# KiCad board RunType58.kicad_pcb
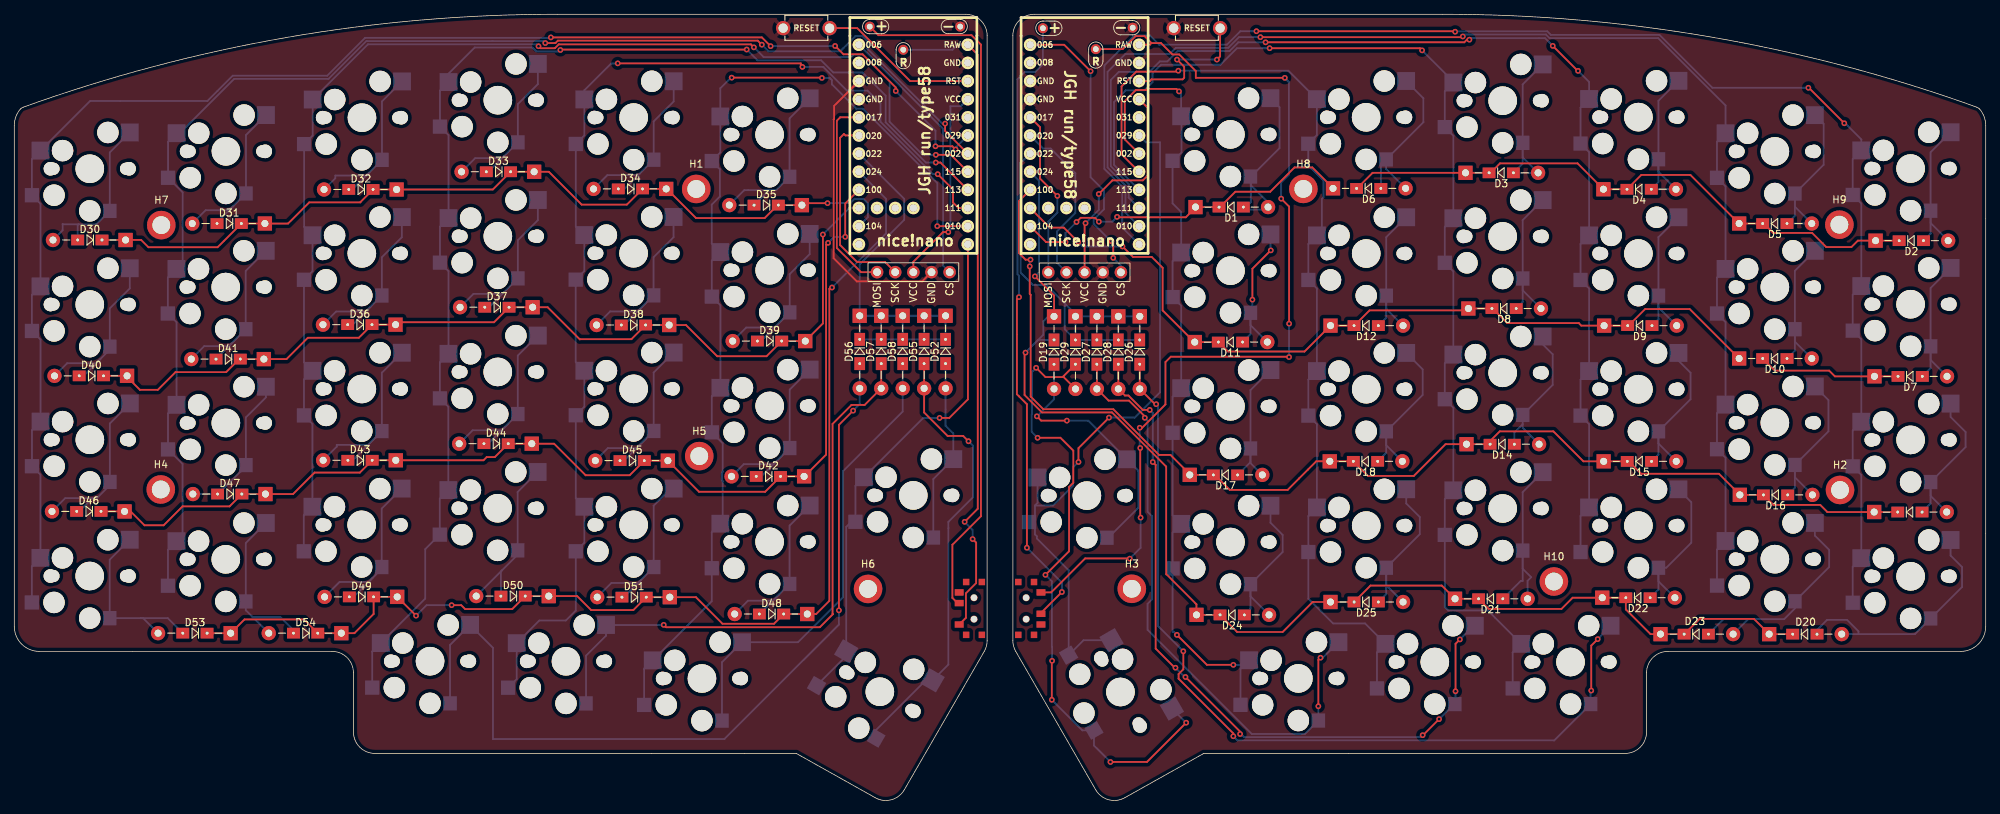
[diagram p0: board, top side]
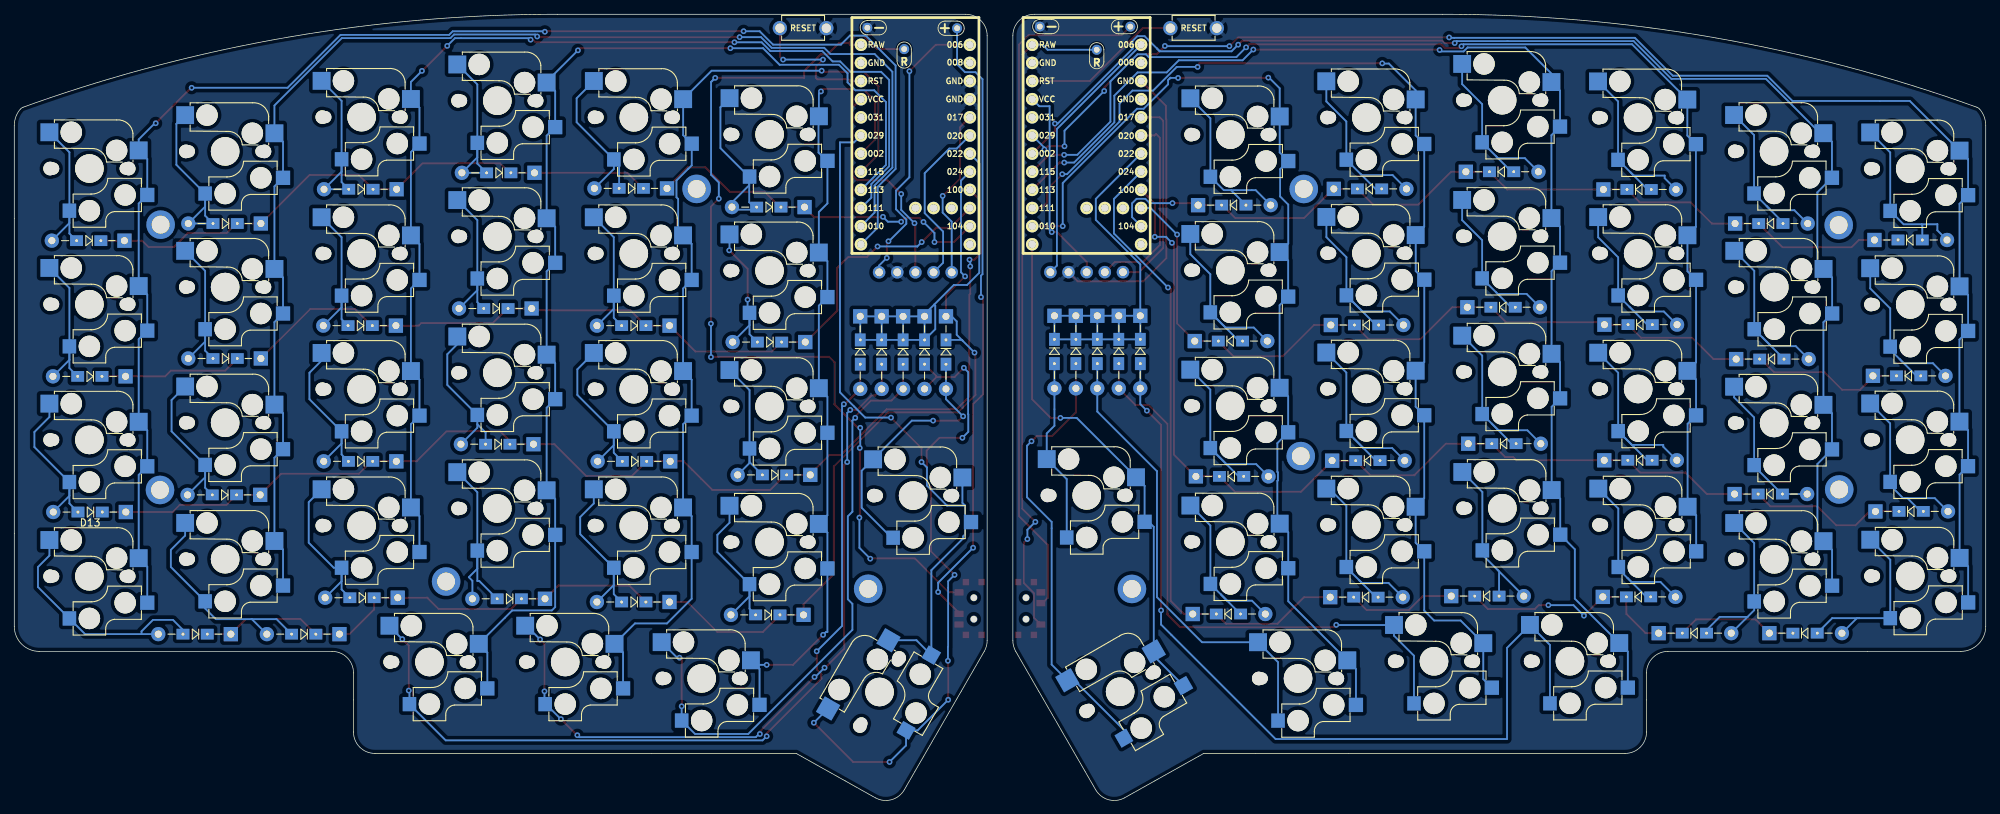
[diagram p1: board, bottom side, seen from below]

Outline 275.95 x 110.09 mm; copper layers: Top, Bottom. Coordinates in mm from the lower left corner of the outline.
Outline path: 0,94.53 0,24.38 arc(1.03,21.9) 3.5,20.88 44.48,20.88 arc(46.6,20) 47.48,17.88 47.48,9.59 arc(48.35,7.47) 50.48,6.59 109.45,6.59 120.52,0.38 arc(122.78,0.11) 124.58,1.5 135.77,20.88 arc(136.07,21.61) 136.18,22.38 136.18,107.09 arc(135.3,109.22) 133.18,110.09 76,110.09 arc(38.05,106.84) 1.23,97.08 arc(1.03,96.97) 0.85,96.82 arc(0.22,95.75) 0,94.53 ; 139.77,107.09 139.77,22.38 arc(139.88,21.61) 140.18,20.88 151.37,1.5 arc(153.17,0.11) 155.43,0.38 166.5,6.59 225.47,6.59 arc(227.6,7.47) 228.47,9.59 228.47,17.88 arc(229.35,20) 231.47,20.88 272.45,20.88 arc(274.92,21.9) 275.95,24.38 275.95,94.53 arc(275.73,95.75) 275.1,96.82 arc(274.92,96.97) 274.72,97.08 arc(237.9,106.84) 199.95,110.09 142.77,110.09 arc(140.65,109.22) 139.77,107.09
Stack: Top 0.035mm / dielectric 1.51mm FR4 er 4.5 / Bottom 0.035mm

## Placement (name value [footprint] x y rotation side)
Bat+1  MountingHole_Pad  [1pin_Battery]  151.39 105.22 270 top
Bat+2  MountingHole_Pad  [1pin_Battery]  124.44 105.13 270 top
BatEntry1  MountingHole_Pad  [1pin_Battery]  143.98 108.14 0 top
BatEntry2  MountingHole_Pad  [1pin_Battery]  119.74 108.37 0 top
BatGND1  MountingHole_Pad  [1pin_Battery]  156.55 108.21 180 top
BatGND2  MountingHole_Pad  [1pin_Battery]  132.41 108.37 180 top
D1  D  [Diode_TH_SOD123]  170.34 83.09 0 top
D2  D  [Diode_TH_SOD123]  265.54 78.39 0 top
D3  D  [Diode_TH_SOD123]  208.14 87.89 0 top
D4  D  [Diode_TH_SOD123]  227.44 85.59 0 top
D5  D  [Diode_TH_SOD123]  246.44 80.79 0 top
D6  D  [Diode_TH_SOD123]  189.59 85.71 0 top
D7  D  [Diode_TH_SOD123]  265.38 59.39 0 top
D8  D  [Diode_TH_SOD123]  208.54 68.89 0 top
D9  D  [Diode_TH_SOD123]  227.54 66.49 0 top
D10  D  [Diode_TH_SOD123]  246.44 61.89 0 top
D11  D  [Diode_TH_SOD123]  170.24 64.19 0 top
D12  D  [Diode_TH_SOD123]  189.24 66.49 0 top
D13  D  [Diode_TH_SOD123]  265.34 40.39 0 top
D14  D  [Diode_TH_SOD123]  208.28 49.89 0 top
D15  D  [Diode_TH_SOD123]  227.48 47.49 0 top
D16  D  [Diode_TH_SOD123]  246.54 42.79 0 top
D17  D  [Diode_TH_SOD123]  169.54 45.59 0 top
D18  D  [Diode_TH_SOD123]  189.14 47.49 0 top
D19  D  [Diode_TH_SOD123]  145.54 62.79 270 top
D20  D  [Diode_TH_SOD123]  250.64 23.29 0 top
D21  D  [Diode_TH_SOD123]  206.67 28.24 0 top
D22  D  [Diode_TH_SOD123]  227.28 28.39 0 top
D23  D  [Diode_TH_SOD123]  235.44 23.29 0 top
D24  D  [Diode_TH_SOD123]  170.48 25.99 0 top
D25  D  [Diode_TH_SOD123]  189.24 27.79 0 top
D26  D  [Diode_TH_SOD123]  157.54 62.79 270 top
D27  D  [Diode_TH_SOD123]  151.54 62.79 270 top
D28  D  [Diode_TH_SOD123]  154.54 62.79 270 top
D29  D  [Diode_TH_SOD123]  148.54 62.79 270 top
D30  D  [Diode_TH_SOD123]  10.58 78.49 180 top
D31  D  [Diode_TH_SOD123]  30.08 80.79 180 top
D32  D  [Diode_TH_SOD123]  48.52 85.56 180 top
D33  D  [Diode_TH_SOD123]  67.77 88.04 180 top
D34  D  [Diode_TH_SOD123]  86.25 85.64 180 top
D35  D  [Diode_TH_SOD123]  105.25 83.37 180 top
D36  D  [Diode_TH_SOD123]  48.37 66.63 180 top
D37  D  [Diode_TH_SOD123]  67.56 69.07 180 top
D38  D  [Diode_TH_SOD123]  86.67 66.58 180 top
D39  D  [Diode_TH_SOD123]  105.72 64.33 180 top
D40  D  [Diode_TH_SOD123]  10.79 59.46 180 top
D41  D  [Diode_TH_SOD123]  29.94 61.81 180 top
D42  D  [Diode_TH_SOD123]  105.56 45.38 180 top
D43  D  [Diode_TH_SOD123]  48.4 47.64 180 top
D44  D  [Diode_TH_SOD123]  67.44 49.96 180 top
D45  D  [Diode_TH_SOD123]  86.49 47.59 180 top
D46  D  [Diode_TH_SOD123]  10.44 40.48 180 top
D47  D  [Diode_TH_SOD123]  30.16 42.91 180 top
D48  D  [Diode_TH_SOD123]  106 26.11 180 top
D49  D  [Diode_TH_SOD123]  48.6 28.51 180 top
D50  D  [Diode_TH_SOD123]  69.82 28.62 180 top
D51  D  [Diode_TH_SOD123]  86.76 28.47 180 top
D52  D  [Diode_TH_SOD123]  130.35 62.87 270 top
D53  D  [Diode_TH_SOD123]  25.29 23.43 180 top
D54  D  [Diode_TH_SOD123]  40.78 23.43 180 top
D55  D  [Diode_TH_SOD123]  127.35 62.87 270 top
D56  D  [Diode_TH_SOD123]  118.34 62.87 270 top
D57  D  [Diode_TH_SOD123]  121.35 62.87 270 top
D58  D  [Diode_TH_SOD123]  124.35 62.87 270 top
Display1  nice!view  [nice_view]  125.85 90.46 0 top
Display2  nice!view  [nice_view]  149.82 90.44 0 top
H1  MountingHole  [MountingHole_2.5mm_Pad]  95.46 85.63 0 top
H2  MountingHole  [MountingHole_2.5mm_Pad]  255.56 43.48 0 top
H3  MountingHole  [MountingHole_2.5mm_Pad]  156.43 29.64 0 top
H4  MountingHole  [MountingHole_2.5mm_Pad]  20.51 43.55 0 top
H5  MountingHole  [MountingHole_2.5mm_Pad]  95.88 48.22 0 top
H6  MountingHole  [MountingHole_2.5mm_Pad]  119.51 29.62 0 top
H7  MountingHole  [MountingHole_2.5mm_Pad]  20.58 80.57 0 top
H8  MountingHole  [MountingHole_2.5mm_Pad]  180.44 85.64 0 top
H9  MountingHole  [MountingHole_2.5mm_Pad]  255.47 80.63 0 top
H10  MountingHole  [MountingHole_2.5mm_Pad]  215.51 30.66 0 top
RSW1  SW_RST  [TACT_SWITCH_TVBP06]  165.54 108.15 0 top
RSW2  SW_RST  [TACT_SWITCH_TVBP06]  110.88 108.15 0 top
SW1  SW_PUSH  [CherryMX_KailhLowProfile_Hotswap]  170.23 93.27 0 top
SW2  SW_PUSH  [CherryMX_KailhLowProfile_Hotswap]  265.44 88.49 0 top
SW3  SW_PUSH  [CherryMX_KailhLowProfile_Hotswap]  208.34 97.99 0 top
SW4  SW_PUSH  [CherryMX_KailhLowProfile_Hotswap]  227.34 95.69 0 top
SW5  SW_PUSH  [CherryMX_KailhLowProfile_Hotswap]  246.44 90.89 0 top
SW6  SW_PUSH  [CherryMX_KailhLowProfile_Hotswap]  189.22 95.67 0 top
SW7  SW_PUSH  [CherryMX_KailhLowProfile_Hotswap]  265.44 69.49 0 top
SW8  SW_PUSH  [CherryMX_KailhLowProfile_Hotswap]  208.34 78.99 0 top
SW9  SW_PUSH  [CherryMX_KailhLowProfile_Hotswap]  227.34 76.59 0 top
SW10  SW_PUSH  [CherryMX_KailhLowProfile_Hotswap]  246.44 71.89 0 top
SW11  SW_PUSH  [CherryMX_KailhLowProfile_Hotswap]  170.24 74.19 0 top
SW12  SW_PUSH  [CherryMX_KailhLowProfile_Hotswap]  189.24 76.59 0 top
SW13  SW_PUSH  [CherryMX_KailhLowProfile_Hotswap]  265.44 50.49 0 top
SW14  SW_PUSH  [CherryMX_KailhLowProfile_Hotswap]  208.34 59.89 0 top
SW15  SW_PUSH  [CherryMX_KailhLowProfile_Hotswap]  227.34 57.59 0 top
SW16  SW_PUSH  [CherryMX_KailhLowProfile_Hotswap]  246.44 52.89 0 top
SW17  SW_PUSH  [CherryMX_KailhLowProfile_Hotswap]  170.24 55.19 0 top
SW18  SW_PUSH  [CherryMX_KailhLowProfile_Hotswap]  189.24 57.59 0 top
SW19  SW_PUSH  [CherryMX_KailhLowProfile_Hotswap]  150.14 42.69 0 top
SW20  SW_PUSH  [CherryMX_KailhLowProfile_Hotswap]  265.44 31.39 0 top
SW21  SW_PUSH  [CherryMX_KailhLowProfile_Hotswap]  208.34 40.89 0 top
SW22  SW_PUSH  [CherryMX_KailhLowProfile_Hotswap]  227.34 38.49 0 top
SW23  SW_PUSH  [CherryMX_KailhLowProfile_Hotswap]  246.44 33.79 0 top
SW24  SW_PUSH  [CherryMX_KailhLowProfile_Hotswap]  170.24 36.19 0 top
SW25  SW_PUSH  [CherryMX_KailhLowProfile_Hotswap]  189.24 38.49 0 top
SW26  SW_PUSH  [CherryMX_KailhLowProfile_Hotswap]  217.84 19.39 0 top
SW27  SW_PUSH  [CherryMX_KailhLowProfile_Hotswap]  179.74 17.09 0 top
SW28  SW_PUSH  [CherryMX_KailhLowProfile_Hotswap]  198.84 19.39 0 top
SW29  SW_PUSH  [CherryMX_KailhLowProfile_Hotswap]  154.84 15.19 300 top
SW30  SW_PUSH  [CherryMX_KailhLowProfile_Hotswap]  10.57 88.46 0 top
SW31  SW_PUSH  [CherryMX_KailhLowProfile_Hotswap]  29.63 90.9 0 top
SW32  SW_PUSH  [CherryMX_KailhLowProfile_Hotswap]  48.67 95.61 0 top
SW33  SW_PUSH  [CherryMX_KailhLowProfile_Hotswap]  67.69 98.06 0 top
SW34  SW_PUSH  [CherryMX_KailhLowProfile_Hotswap]  86.7 95.63 0 top
SW35  SW_PUSH  [CherryMX_KailhLowProfile_Hotswap]  105.73 93.24 0 top
SW36  SW_PUSH  [CherryMX_KailhLowProfile_Hotswap]  48.65 76.61 0 top
SW37  SW_PUSH  [CherryMX_KailhLowProfile_Hotswap]  67.69 79.01 0 top
SW38  SW_PUSH  [CherryMX_KailhLowProfile_Hotswap]  86.69 76.63 0 top
SW39  SW_PUSH  [CherryMX_KailhLowProfile_Hotswap]  105.74 74.25 0 top
SW40  SW_PUSH  [CherryMX_KailhLowProfile_Hotswap]  10.57 69.45 0 top
SW41  SW_PUSH  [CherryMX_KailhLowProfile_Hotswap]  29.6 71.89 0 top
SW42  SW_PUSH  [CherryMX_KailhLowProfile_Hotswap]  105.74 55.25 0 top
SW43  SW_PUSH  [CherryMX_KailhLowProfile_Hotswap]  48.65 57.62 0 top
SW44  SW_PUSH  [CherryMX_KailhLowProfile_Hotswap]  67.68 60.01 0 top
SW45  SW_PUSH  [CherryMX_KailhLowProfile_Hotswap]  86.7 57.64 0 top
SW46  SW_PUSH  [CherryMX_KailhLowProfile_Hotswap]  10.58 50.51 0 top
SW47  SW_PUSH  [CherryMX_KailhLowProfile_Hotswap]  29.62 52.86 0 top
SW48  SW_PUSH  [CherryMX_KailhLowProfile_Hotswap]  105.73 36.22 0 top
SW49  SW_PUSH  [CherryMX_KailhLowProfile_Hotswap]  48.63 38.59 0 top
SW50  SW_PUSH  [CherryMX_KailhLowProfile_Hotswap]  67.66 40.92 0 top
SW51  SW_PUSH  [CherryMX_KailhLowProfile_Hotswap]  86.7 38.59 0 top
SW52  SW_PUSH  [CherryMX_KailhLowProfile_Hotswap]  125.84 42.72 0 top
SW53  SW_PUSH  [CherryMX_KailhLowProfile_Hotswap]  10.56 31.43 0 top
SW54  SW_PUSH  [CherryMX_KailhLowProfile_Hotswap]  29.61 33.77 0 top
SW55  SW_PUSH  [CherryMX_KailhLowProfile_Hotswap]  58.2 19.5 0 top
SW56  SW_PUSH  [CherryMX_KailhLowProfile_Hotswap]  121.16 15.23 330 top
SW57  SW_PUSH  [CherryMX_KailhLowProfile_Hotswap]  77.23 19.49 0 top
SW58  SW_PUSH  [CherryMX_KailhLowProfile_Hotswap]  96.26 17.08 0 top
SW_POWER1  SW_SPDT  [SPDT_C128955]  141.64 26.89 90 top
SW_POWER2  SW_SPDT  [SPDT_C128955]  134.34 26.89 270 top
U1  -  [nice_nano]  149.82 91.85 270 top
U2  -  [nice_nano]  125.85 91.86 270 top

## Footprints (pads in the part's own frame, mm; a bottom-side part is the same pattern mirrored in y, then rotated)
1pin_Battery
  round 1.397 hole 0.813: 1(0,0)
CherryMX_KailhLowProfile_Hotswap
  round 1.9 hole 1.9 unplated: (-5.5,0) (5.5,0)
  round 1.7 hole 1.7 unplated: (-5.08,0) (5.08,0)
  round 3 hole 3 unplated: (-5,-3.7) (-3.81,2.54) (0,-5.9) (2.54,5.08)
  round 0.1 hole 0.1 unplated: (-3.825,2.58)
  round 4 hole 4 unplated: (0,0)
  rect 2x2 smd far side: 1(-8.1,-3.7)
  rect 2.5x2.5 smd far side: 1(-6.9,2.54) 2(5.6,5.08)
  rect 1.9x2 smd far side: 2(2.8,-5.9)
Diode_TH_SOD123
  rect 1.999x1.999 hole 1: 1(-5,0.003)
  rect 1.8x1.5 hole 0.4: 1(-1.7,0) 2(1.7,0)
  round 1.999 hole 1: 2(5.16,0.003)
MountingHole_2.5mm_Pad
  round 4 hole 2.5: 1(0,0)
nice_nano
  round 1.753 hole 1.092: 1(-13.97,-7.62) 2(-11.43,-7.62) 3(-8.89,-7.62) 4(-6.35,-7.62) 5(-3.81,-7.62) 6(-1.27,-7.62) 7(1.27,-7.62) 8(3.81,-7.62) 9(6.35,-7.62) 10(8.89,-7.62) 11(11.43,-7.62) 12(13.97,-7.62) 13(13.97,7.62) 14(11.43,7.62) 15(8.89,7.62) 16(6.35,7.62) 17(3.81,7.62) 18(1.27,7.62) 19(-1.27,7.62) 20(-3.81,7.62) 21(-6.35,7.62) 22(-8.89,7.62) 23(-11.43,7.62) 24(-13.97,7.62) 31(8.89,-5.08) 32(8.89,-2.54) 33(8.89,0)
nice_view
  round 1.753 hole 1.092: 1(-5.08,-16.48) 2(-2.54,-16.48) 3(0,-16.48) 4(2.54,-16.48) 5(5.08,-16.48)
SPDT_C128955
  round 1 hole 0.9 unplated: (-1.5,0) (1.5,0)
  rect 0.9x0.9 smd: 0(-3.7,1.1) 0(-3.7,-1.1) 0(3.7,1.1) 0(3.7,-1.1)
  rect 0.9x1.25 smd: 1(2.25,-2.075) 2(-0.75,-2.075) 3(-2.25,-2.075)
TACT_SWITCH_TVBP06
  round 2 hole 1.3: 1(-3.25,0) 2(3.25,0)

## Nets
+3.3VA: Display1.3 U2.21
+3V3: Display2.3 U1.21
GND: BatGND1.1 Display2.4 RSW1.1 U1.3 U1.4 U1.23
GND1: BatGND2.1 Display1.4 RSW2.1 U2.3 U2.4 U2.23
BTL+: BatEntry2.1 SW_POWER2.2
BTR+: BatEntry1.1 SW_POWER1.2
COL0: SW19.1 SW29.1 U1.19
COL1: SW1.1 SW11.1 SW17.1 SW24.1 SW27.1 U1.18
COL2: SW6.1 SW12.1 SW18.1 SW25.1 SW28.1 U1.17
COL3: SW3.1 SW8.1 SW14.1 SW21.1 SW26.1 U1.16
COL4: SW4.1 SW9.1 SW15.1 SW22.1 U1.15
COL5: SW5.1 SW10.1 SW16.1 SW23.1 U1.14
COL6: SW2.1 SW7.1 SW13.1 SW20.1 U1.13
CSL: Display1.5 U2.1
CSR: Display2.5 U1.1
LCOL0: SW30.1 SW40.1 SW46.1 SW53.1 U2.19
LCOL1: SW31.1 SW41.1 SW47.1 SW54.1 U2.18
LCOL2: SW32.1 SW36.1 SW43.1 SW49.1 U2.17
LCOL3: SW33.1 SW37.1 SW44.1 SW50.1 SW55.1 U2.16
LCOL4: SW34.1 SW38.1 SW45.1 SW51.1 SW57.1 U2.15
LCOL5: SW35.1 SW39.1 SW42.1 SW48.1 SW58.1 U2.14
LCOL6: SW52.1 SW56.1 U2.13
MOSIL: Display1.1 U2.5
MOSIR: Display2.1 U1.5
RAWL: Bat+2.1 SW_POWER2.1 U2.24
RAWR: Bat+1.1 SW_POWER1.1 U1.24
RESETL: RSW2.2 U2.22
RESETR: RSW1.2 U1.22
ROW0: D1.1 D2.1 D3.1 D4.1 D5.1 D6.1 U1.11
ROW1: D7.1 D8.1 D9.1 D10.1 D11.1 D12.1 U1.10
ROW2: D13.1 D14.1 D15.1 D16.1 D17.1 D18.1 U1.9
ROW3: D19.1 D20.1 D21.1 D22.1 D23.1 D24.1 D25.1 U1.8
ROW4: D26.1 D27.1 D28.1 D29.1 U1.7
ROWL0: D30.1 D31.1 D32.1 D33.1 D34.1 D35.1 U2.11
ROWL1: D36.1 D37.1 D38.1 D39.1 D40.1 D41.1 U2.10
ROWL2: D42.1 D43.1 D44.1 D45.1 D46.1 D47.1 U2.9
ROWL3: D48.1 D49.1 D50.1 D51.1 D53.1 D54.1 U2.8
ROWL4: D52.1 D55.1 D56.1 D57.1 D58.1 U2.7
SCKL: Display1.2 U2.6
SCKR: Display2.2 U1.6
Net-(D1-Pad2): D1.2 SW1.2
Net-(D2-Pad2): D2.2 SW2.2
Net-(D3-Pad2): D3.2 SW3.2
Net-(D4-Pad2): D4.2 SW4.2
Net-(D5-Pad2): D5.2 SW5.2
Net-(D6-Pad2): D6.2 SW6.2
Net-(D7-Pad2): D7.2 SW7.2
Net-(D8-Pad2): D8.2 SW8.2
Net-(D9-Pad2): D9.2 SW9.2
Net-(D10-Pad2): D10.2 SW10.2
Net-(D11-Pad2): D11.2 SW11.2
Net-(D12-Pad2): D12.2 SW12.2
Net-(D13-Pad2): D13.2 SW13.2
Net-(D14-Pad2): D14.2 SW14.2
Net-(D15-Pad2): D15.2 SW15.2
Net-(D16-Pad2): D16.2 SW16.2
Net-(D17-Pad2): D17.2 SW17.2
Net-(D18-Pad2): D18.2 SW18.2
Net-(D20-Pad2): D20.2 SW20.2
Net-(D21-Pad2): D21.2 SW21.2
Net-(D22-Pad2): D22.2 SW22.2
Net-(D23-Pad2): D23.2 SW23.2
Net-(D24-Pad2): D24.2 SW24.2
Net-(D25-Pad2): D25.2 SW25.2
Net-(D26-Pad2): D26.2 SW26.2
Net-(D28-Pad2): D28.2 SW28.2
Net-(D30-Pad2): D30.2 SW30.2
Net-(D31-Pad2): D31.2 SW31.2
Net-(D32-Pad2): D32.2 SW32.2
Net-(D33-Pad2): D33.2 SW33.2
Net-(D34-Pad2): D34.2 SW34.2
Net-(D35-Pad2): D35.2 SW35.2
Net-(D36-Pad2): D36.2 SW36.2
Net-(D37-Pad2): D37.2 SW37.2
Net-(D38-Pad2): D38.2 SW38.2
Net-(D39-Pad2): D39.2 SW39.2
Net-(D40-Pad2): D40.2 SW40.2
Net-(D41-Pad2): D41.2 SW41.2
Net-(D42-Pad2): D42.2 SW42.2
Net-(D43-Pad2): D43.2 SW43.2
Net-(D44-Pad2): D44.2 SW44.2
Net-(D45-Pad2): D45.2 SW45.2
Net-(D46-Pad2): D46.2 SW46.2
Net-(D47-Pad2): D47.2 SW47.2
Net-(D48-Pad2): D48.2 SW48.2
Net-(D49-Pad2): D49.2 SW49.2
Net-(D50-Pad2): D50.2 SW50.2
Net-(D51-Pad2): D51.2 SW51.2
Net-(D52-Pad2): D52.2 SW52.2
Net-(D53-Pad2): D53.2 SW53.2
Net-(D54-Pad2): D54.2 SW54.2
Net-(D55-Pad2): D55.2 SW56.2
Net-(D56-Pad2): D56.2 SW55.2
Net-(D57-Pad2): D57.2 SW57.2
Net-(D58-Pad2): D58.2 SW58.2
Net-(SW19-Pad2): D19.2 SW19.2
Net-(SW27-Pad2): D27.2 SW27.2
Net-(SW29-Pad2): D29.2 SW29.2

Pads without a net: H1 1; H2 1; H3 1; H4 1; H5 1; H6 1; H7 1; H8 1; H9 1; H10 1; SW_POWER1 0 3; SW_POWER2 0 3; U1 2 12 20 31 32 33; U2 2 12 20 31 32 33

## Via types
v1: diameter 0.8, hole 0.4, Top to Bottom, 111 vias

## Routing (per net, layer and track width the routed paths; a pad name or vN(x,y) marks a point on that pad's centre or on a via; arc(x,y) is an arc through that point)
+3.3VA: length 28.7
  Top w0.25: v1(130.74,79.59) 130,79.59 125.85,75.44 Display1.3
  Bottom w0.25: U2.21 132.48,97.22 131.03,97.22 131.03,79.89 v1(130.74,79.59)
+3V3: length 30.9
  Top w0.25: v1(151.8,84.93) 153.71,86.84 157.97,86.84 158.66,87.52 158.66,96.98 U1.21 ; v1(149.95,80.84) 149.82,80.71 Display2.3
  Bottom w0.25: v1(149.95,80.84) 151.8,82.7 v1(151.8,84.93)
GND1: length 41.9
  Top w0.25: Display1.4 127.09,72.69 117.94,72.69 114.69,75.94 114.69,95.38 114.76,95.45 114.76,97.28 U2.3
BTL+: length 97
  Top w0.25: 132.26,27.64 132.04,27.64 131.31,28.37 131.31,35.81 135.31,39.81 135.31,105.85 133.99,107.17 120.96,107.17 119.74,108.39
BTR+: length 88.4
  Top w0.25: v1(141.74,35.39) 141.74,55.49 140.34,56.89 140.34,70.19 v1(140.64,70.49) ; v1(146.64,29.19) 143.71,26.27 143.71,26.14
  Bottom w0.25: v1(140.64,70.49) 140.64,73.49 140.42,73.71 140.42,101 141.41,101.99 142.88,101.99 143.98,103.09 BatEntry1.1 ; v1(141.74,35.39) 146.64,30.49 v1(146.64,29.19)
COL0: length 98.9
  Top w0.25: v1(153.24,53.62) 148.96,49.34 v1(148.96,47.39)
  Bottom w0.25: SW19.1 143.24,41.67 142.87,41.3 ; 142.87,41.3 142.87,37.26 143.14,36.99 143.14,36.69 147.58,32.25 SW29.1 149.66,22.44 SW29.1 ; 142.87,41.3 145.39,41.3 148.2,44.1 148.2,46.63 v1(148.96,47.39) ; v1(153.24,53.62) 156.84,53.62 160.38,57.16 160.38,92.16 158.4,92.16 U1.19
COL1: length 115.5
  Top w0.25: v1(162.74,23.19) 166.94,18.99 v1(170.64,18.99) ; v1(163.04,99.29) 162.69,99.64 158.58,99.64 158.43,99.49 156.99,99.49 155.44,97.94 155.44,92.58 U1.18
  Bottom w0.25: SW27.1 171.64,18.43 SW27.1 172.2,18.99 v1(170.64,18.99) ; 162.18,89.53 163.38,90.73 163.38,95.77 ; SW1.1 163.33,99 v1(163.04,99.29) ; SW1.1 162.13,83.61 163.34,82.4 SW11.1 162.14,75.53 SW11.1 163.34,69.29 SW17.1 162.14,56.53 SW17.1 162.14,39.93 SW24.1 162.14,37.53 SW24.1 162.14,23.59 162.34,23.59 v1(162.74,23.19)
COL2: length 137.2
  Top w0.25: U1.17 154.99,90.49 154.99,99.99 157.06,102.06 162.81,102.06 v1(162.94,102.19)
  Bottom w0.25: v1(162.94,102.19) 178.34,102.19 SW6.1 182.32,93.17 SW6.1 181.12,88.93 181.59,88.47 181.61,88.47 183.26,86.81 183.26,84.47 183.03,84.24 183.03,79.82 SW12.1 181.14,77.93 SW12.1 182.34,71.69 SW18.1 181.14,58.93 SW18.1 182.34,52.69 SW25.1 181.14,39.83 SW25.1 181.14,28.25 184.59,24.79 189.08,24.79 SW28.1 190.74,20.73 SW28.1
COL3: length 163.7
  Top w0.25: v1(197.06,105.04) 196.76,105.34 v1(175.72,105.34)
  Bottom w0.25: v1(197.06,105.04) 201.44,100.66 SW3.1 200.24,99.33 SW3.1 201.44,93.09 SW8.1 200.24,80.33 SW8.1 201.44,74.09 SW14.1 200.24,61.23 SW14.1 201.44,54.99 SW21.1 200.24,42.23 SW21.1 200.24,27.08 200.71,26.61 206.26,26.61 SW26.1 209.74,20.73 SW26.1 ; U1.16 153.94,89 153.94,97.8 155.58,99.45 158.2,99.45 159.32,100.57 159.32,101.82 160.52,103.02 168.83,103.02 171.15,105.34 v1(175.72,105.34)
COL4: length 160.8
  Top w0.25: v1(175.15,106.17) 202.96,106.17 203.33,106.54 v1(203.68,106.54) ; v1(215.35,105.67) 218.85,102.17 v1(218.89,102.17)
  Bottom w0.25: SW22.1 219.24,39.83 SW22.1 220.44,52.69 SW15.1 219.24,58.93 SW15.1 220.44,71.69 SW9.1 219.24,77.93 SW9.1 220.44,90.79 SW4.1 219.24,97.03 SW4.1 220.44,100.62 v1(218.89,102.17) ; U1.15 155.99,84.41 155.99,86.32 153.49,88.82 153.49,100.91 154.61,102.04 158.89,102.04 160.35,103.49 161.4,103.49 162.85,104.95 170.12,104.95 171.34,106.17 v1(175.15,106.17) ; v1(203.68,106.54) 203.89,106.75 214.27,106.75 v1(215.35,105.67)